# Altium PCB vision-pi-v2-fix.PcbDoc (part 1 of 4)
Units mil, origin at the board's own origin, x right, y up, seen from the top; angles counter-clockwise.
Board outline 944.88 x 1496.06 mil, 6 copper layers (Top Layer, GND(2), Sig(3), Sig(4), PWR, Bottom Layer), stack 32.111 mil thick; 145 components, 190 nets, 978 pads, 464 vias.
Unrouted connection lines stored in the file: 2.
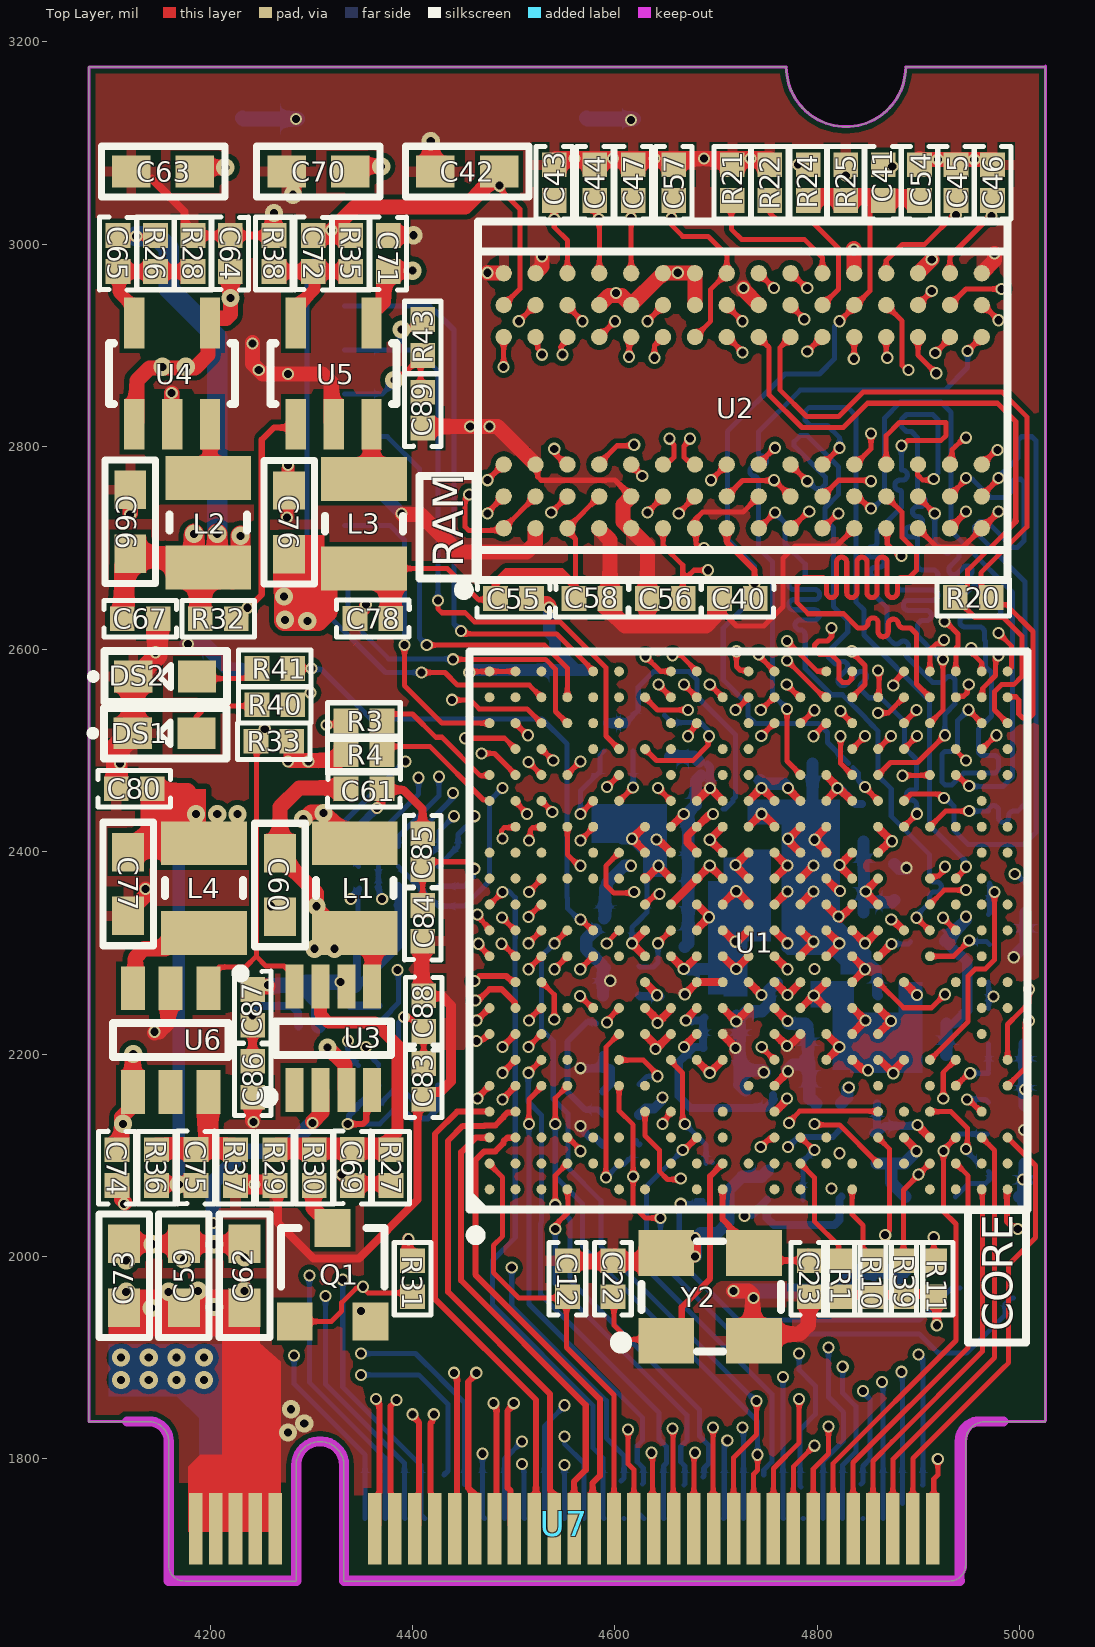
[diagram p0: Top Layer view]
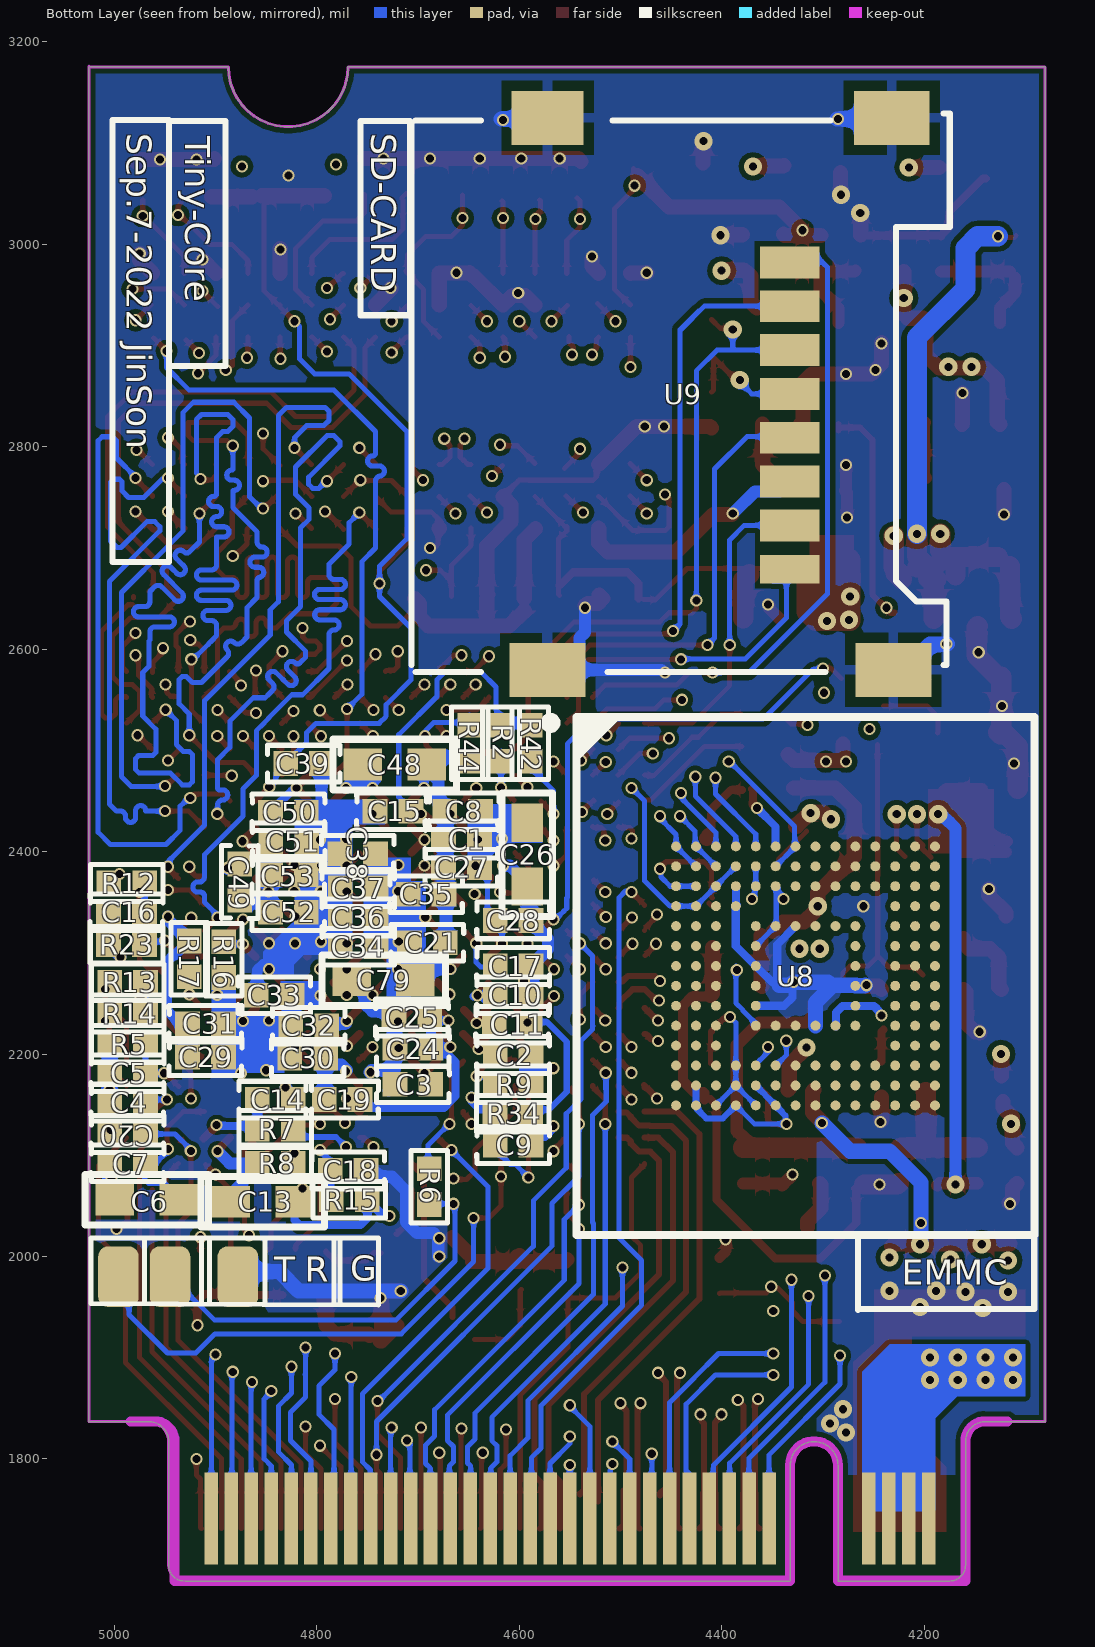
[diagram p1: Bottom Layer view, seen from below]
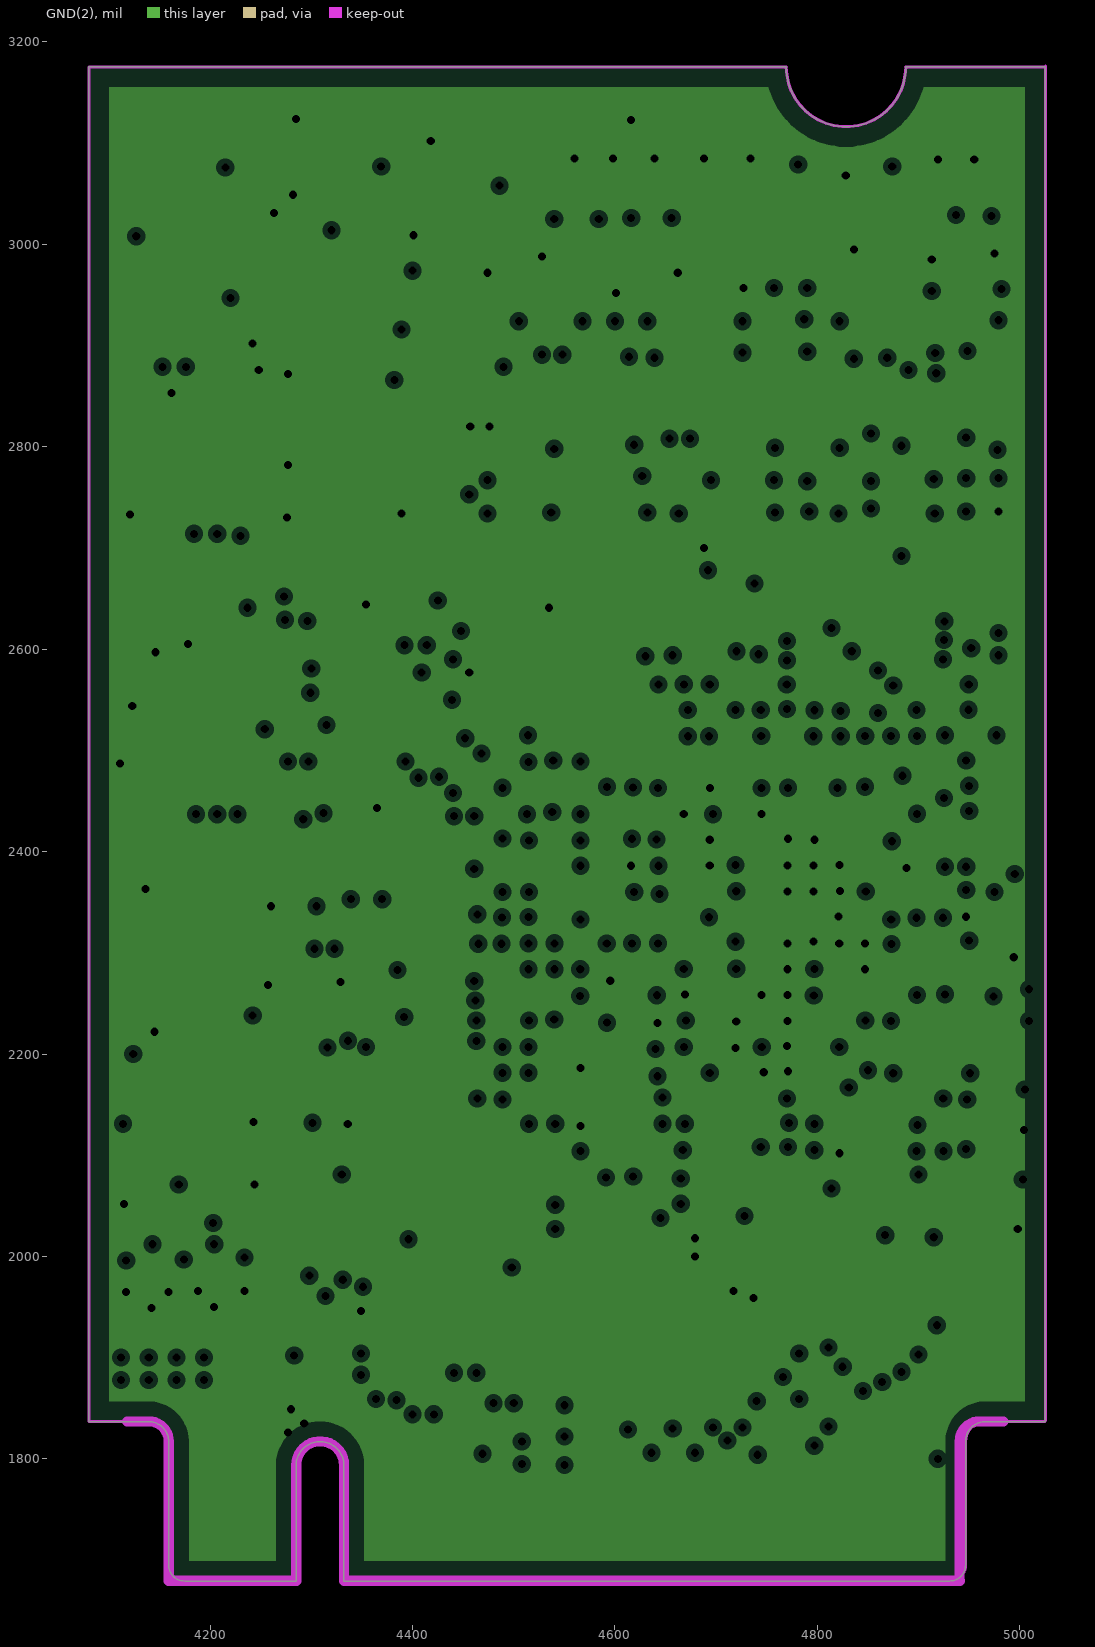
[diagram p2: GND(2), clearances drawn from the general rule]
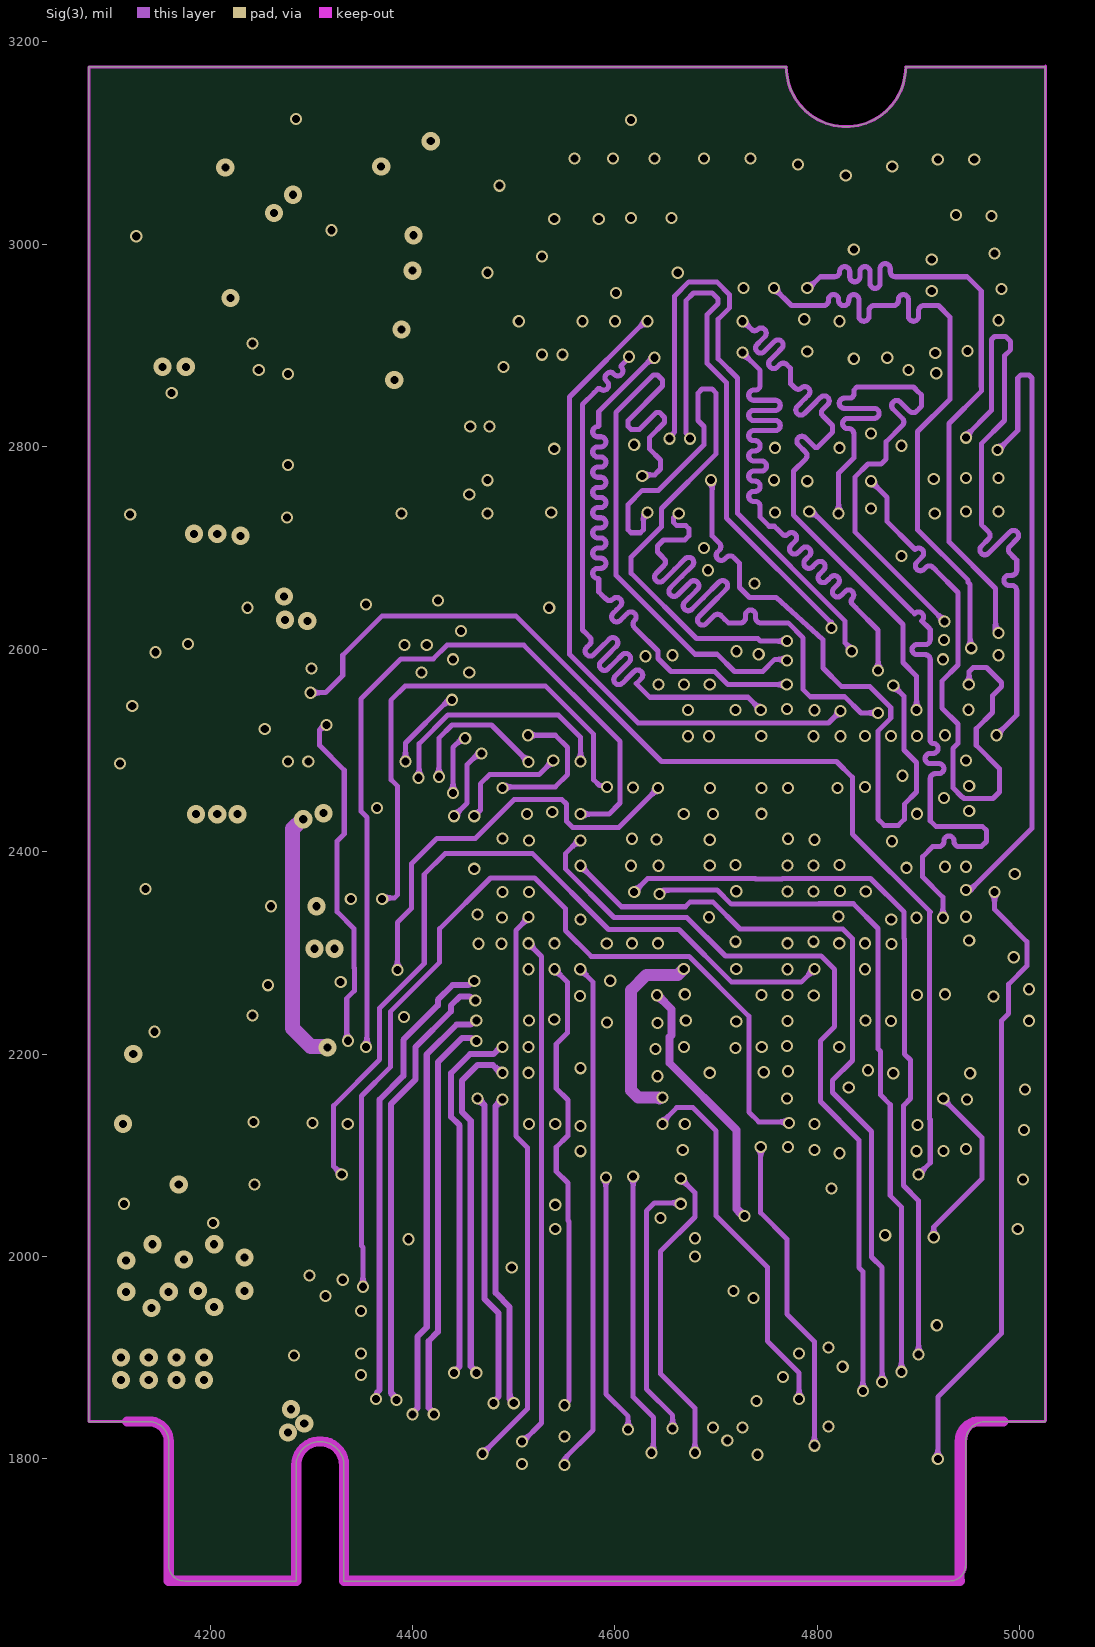
[diagram p3: Sig(3)]
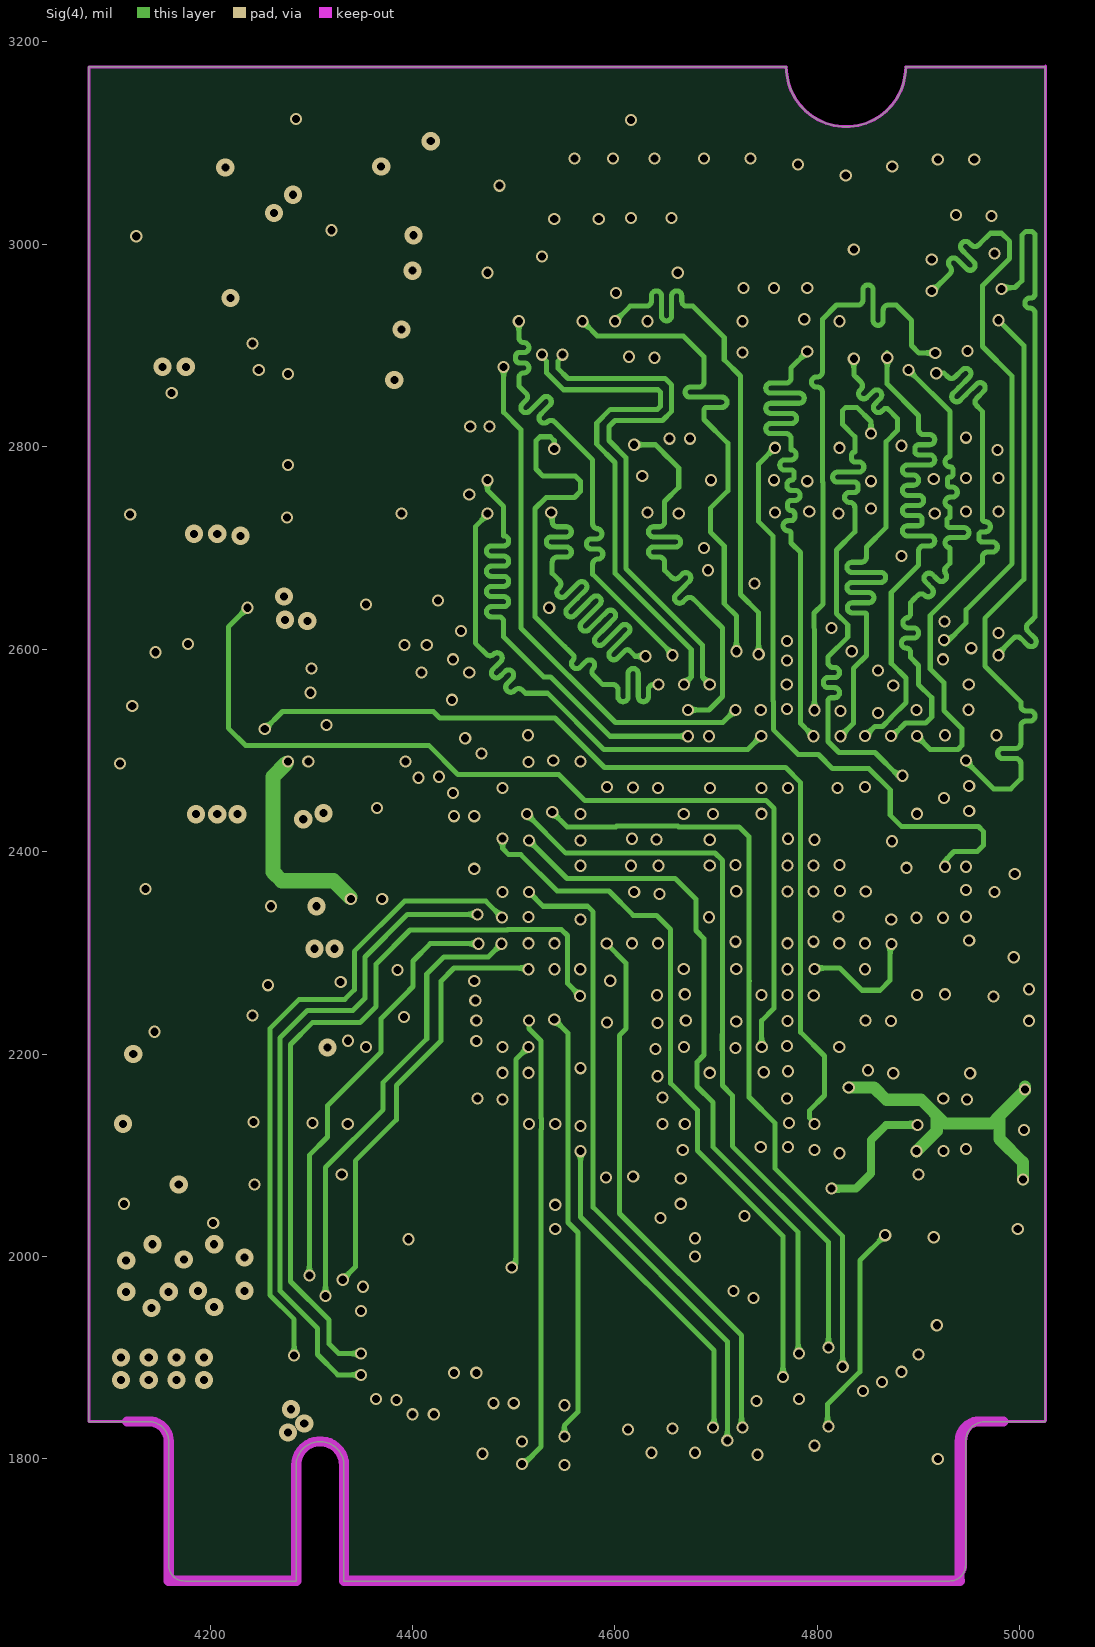
[diagram p4: Sig(4)]
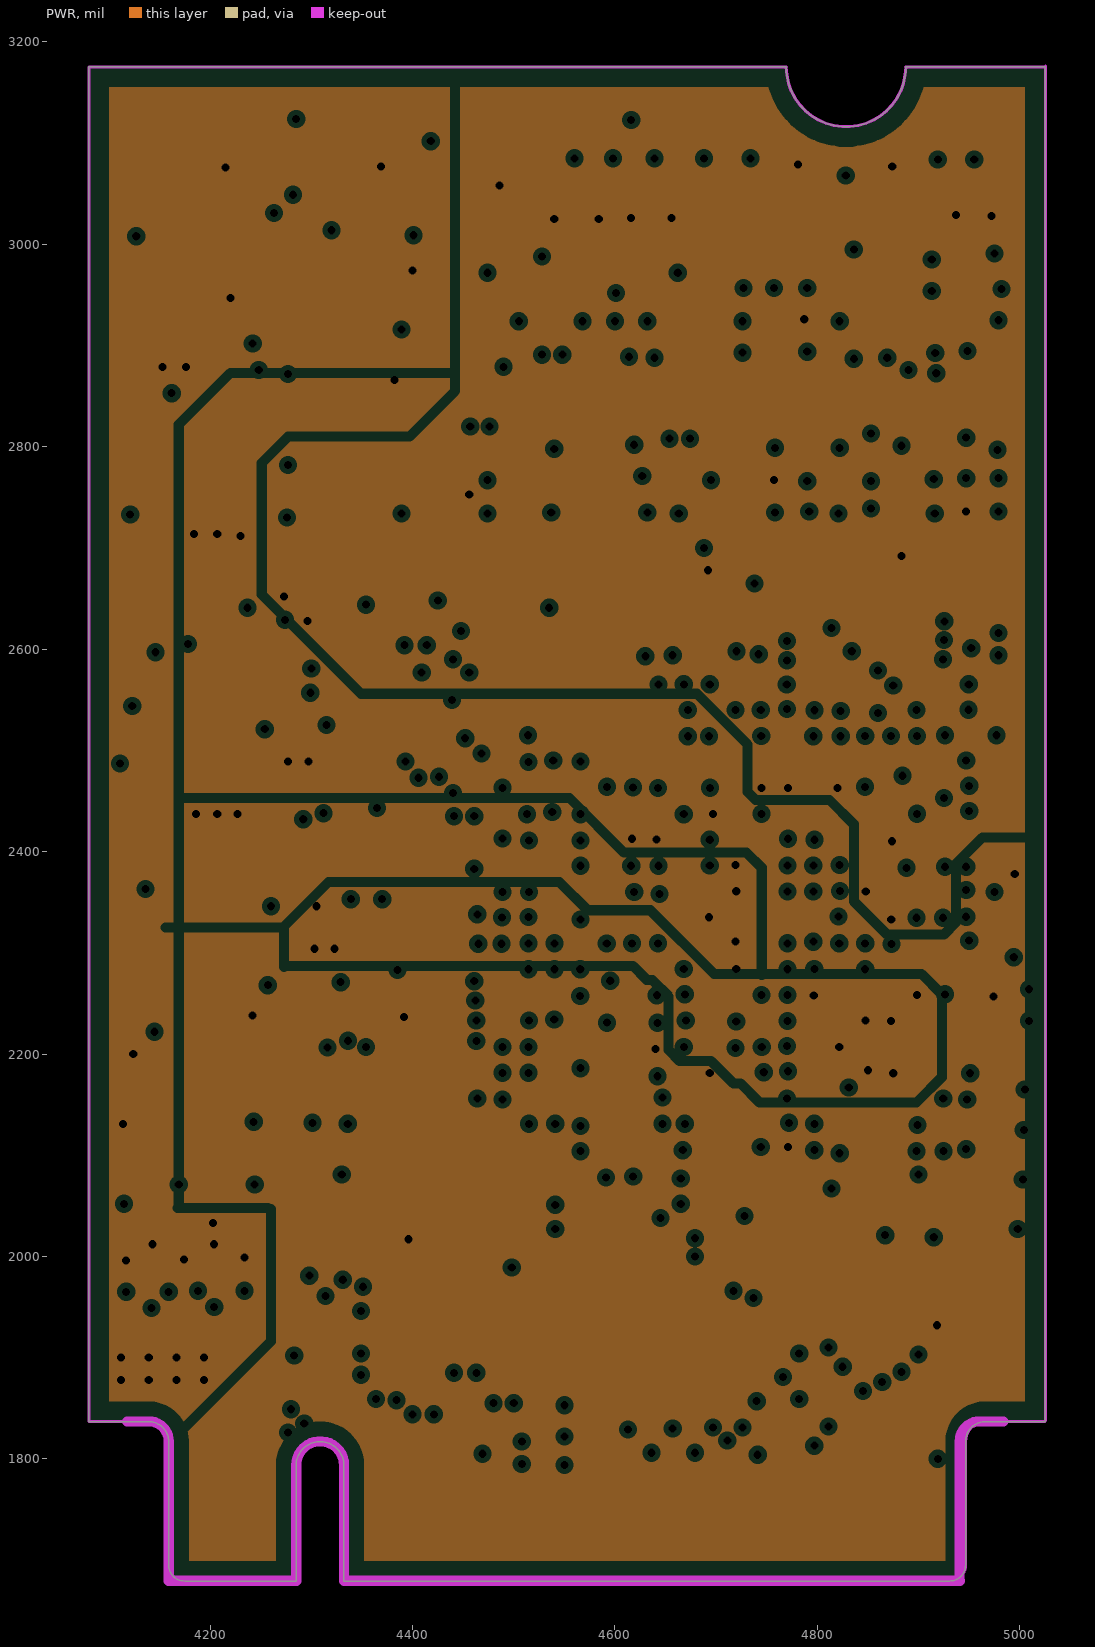
[diagram p5: PWR, clearances drawn from the general rule]
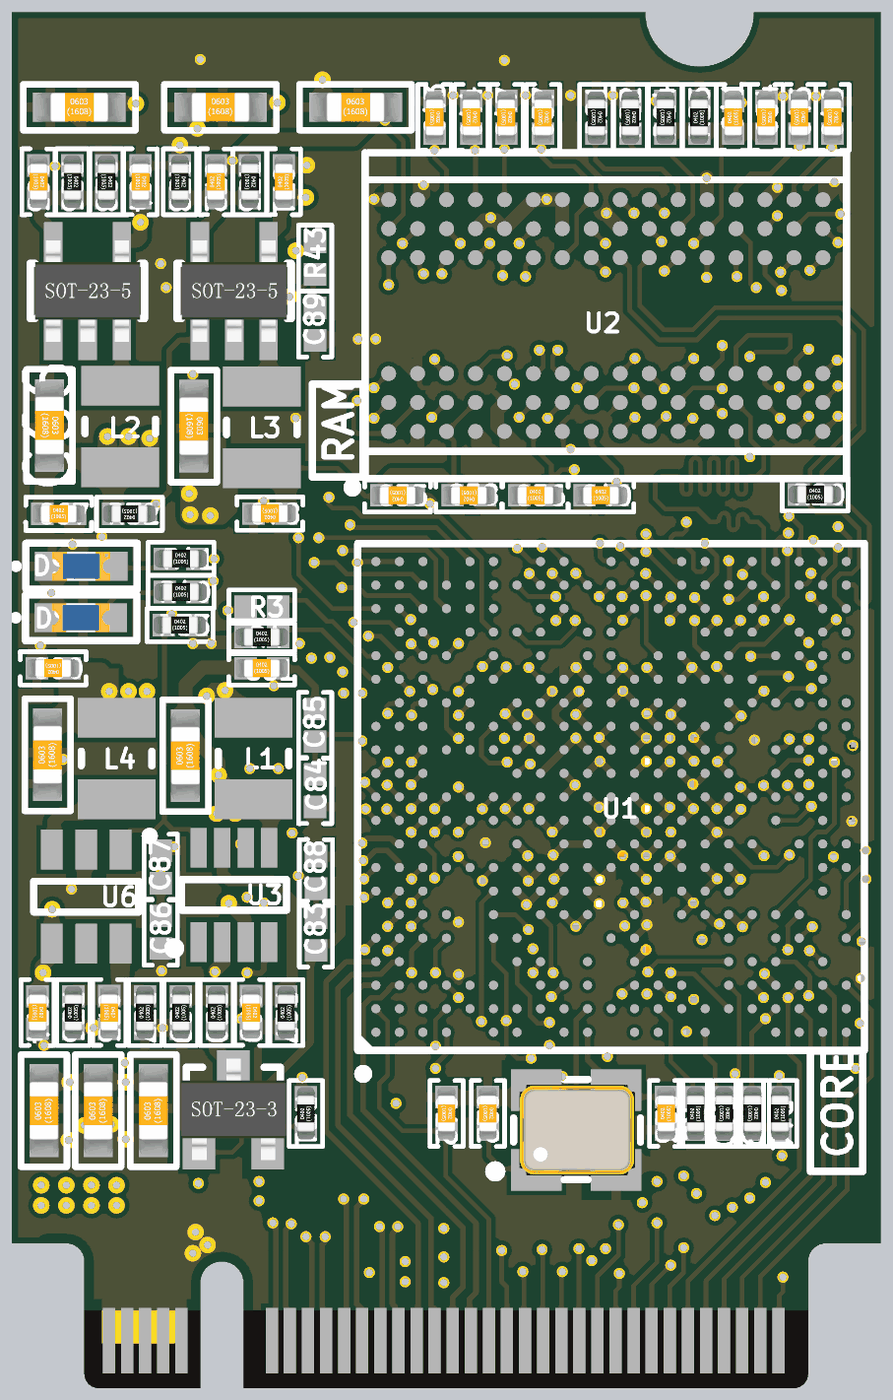
[diagram p9: 3D render of the assembled board from above, using the file's embedded part models]
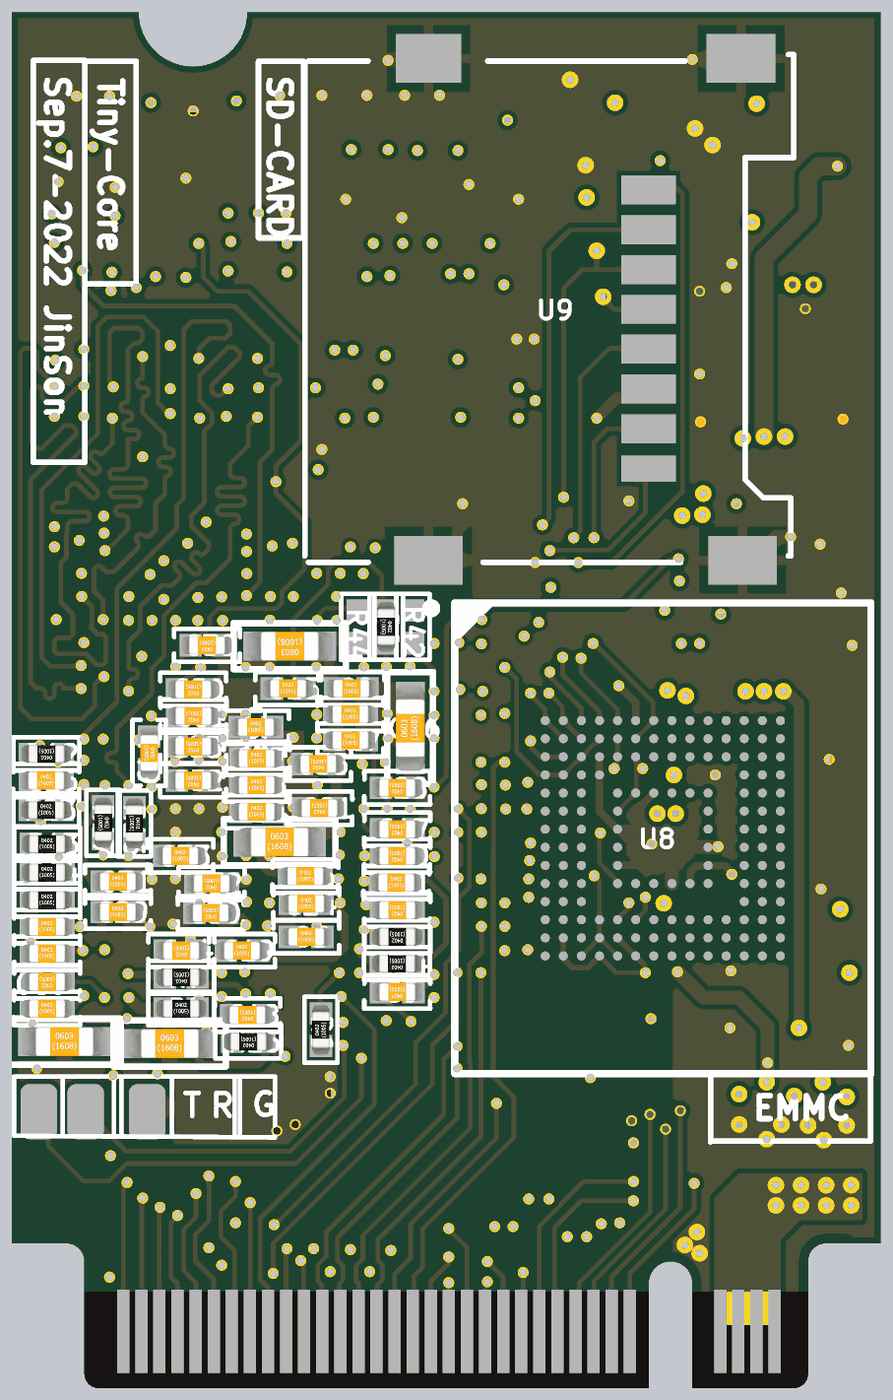
[diagram p10: 3D render of the assembled board from below, using the file's embedded part models]

## Layer stack, top to bottom
Top Solder: solder mask 0.4, Solder Resist, Dk 3.5
Top Layer: signal copper 1.4
Dielectric 2: prepreg 2.8, PP-006, Dk 4.1
GND(2): plane copper 1.3778, net GND
Dielectric 4: prepreg 2.8, PP-006, Dk 4.1
Sig(3): signal copper 1.3778
Dielectric 1: dielectric 12.6, FR-4, Dk 4.8
Sig(4): signal copper 1.3778
Dielectric 5: prepreg 2.8, PP-006, Dk 4.1
PWR: plane copper 1.3778, net (Multiple Nets)
Dielectric 3: prepreg 2.8, PP-006, Dk 4.1
Bottom Layer: signal copper 1.4
Bottom Solder: solder mask 0.4, Solder Resist, Dk 3.5

## Board outline
4158.99,1695 ccw(c4174.74,1695) 4174.74,1679.25 4284.97,1679.25 4284.97,1793.42 cw(c4308.6,1793.42) 4332.22,1793.42 4332.22,1679.25 4930.64,1679.25 ccw(c4930.64,1695) 4946.39,1695 4946.39,1817.05 cw(c4966.08,1817.05) 4966.08,1836.73 5025.13,1836.73 5025.13,3175.31 4887.34,3175.31 cw(c4828.28,3175.31) 4769.23,3175.31 4080.25,3175.31 4080.25,1836.73 4139.31,1836.73 cw(c4139.31,1817.05) 4158.99,1817.05

## Design rules (kind name [scope] priority, off if disabled: settings)
Clearance Clearance_CPU [WithinRoom('ROOM_CPU')] p1: gap=4 ignorepadtopadclearanceinfootprint=FALSE
Clearance [All] p2: gap=5 ignorepadtopadclearanceinfootprint=FALSE
ComponentClearance [All] p1: gap=0 collisioncheckmode=3 verticalgap=0 showdistances=FALSE
DiffPairsRouting DiffPairsRouting_SDQ1 [InDifferentialPairClass('SDQ1')] p1: maxlimit=10 minlimit=5 mostfreqgap=6 toplayer_minwidth=5 toplayer_maxwidth=15 toplayer_prefwidth=5 midlayer1_minwidth=5 midlayer1_maxwidth=15 midlayer1_prefwidth=5 midlayer2_minwidth=5 midlayer2_maxwidth=15 midlayer2_prefwidth=5 bottomlayer_minwidth=5 bottomlayer_maxwidth=15 bottomlayer_prefwidth=5 maxuncoupledlength=500
DiffPairsRouting DiffPairsRouting_SDQ0 [InDifferentialPairClass('SDQ0')] p2: maxlimit=10 minlimit=5 mostfreqgap=6 toplayer_minwidth=5 toplayer_maxwidth=15 toplayer_prefwidth=5 midlayer1_minwidth=5 midlayer1_maxwidth=15 midlayer1_prefwidth=5 midlayer2_minwidth=5 midlayer2_maxwidth=15 midlayer2_prefwidth=5 bottomlayer_minwidth=5 bottomlayer_maxwidth=15 bottomlayer_prefwidth=5 maxuncoupledlength=500
DiffPairsRouting DiffPairsRouting_DDR_SCK [InDifferentialPair('SCK')] p3: maxlimit=10 minlimit=5 mostfreqgap=6 toplayer_minwidth=5 toplayer_maxwidth=15 toplayer_prefwidth=5 midlayer1_minwidth=5 midlayer1_maxwidth=15 midlayer1_prefwidth=5 midlayer2_minwidth=5 midlayer2_maxwidth=15 midlayer2_prefwidth=5 bottomlayer_minwidth=5 bottomlayer_maxwidth=15 bottomlayer_prefwidth=5 maxuncoupledlength=500
DiffPairsRouting DiffPairsRouting_EPHY_TOP [InDifferentialPairClass('EPHY')] p4: maxlimit=10 minlimit=5 mostfreqgap=8 toplayer_minwidth=5 toplayer_maxwidth=15 toplayer_prefwidth=6 midlayer1_minwidth=5 midlayer1_maxwidth=15 midlayer1_prefwidth=6 midlayer2_minwidth=5 midlayer2_maxwidth=15 midlayer2_prefwidth=6 bottomlayer_minwidth=5 bottomlayer_maxwidth=15 bottomlayer_prefwidth=6 maxuncoupledlength=500
DiffPairsRouting DiffPairsRouting_USB_SIG3 [InDifferentialPairClass('USB') and OnSignal] p5: maxlimit=10 minlimit=5 mostfreqgap=5 toplayer_minwidth=5 toplayer_maxwidth=15 toplayer_prefwidth=5 midlayer1_minwidth=5 midlayer1_maxwidth=15 midlayer1_prefwidth=5 midlayer2_minwidth=5 midlayer2_maxwidth=15 midlayer2_prefwidth=5 bottomlayer_minwidth=5 bottomlayer_maxwidth=15 bottomlayer_prefwidth=5 maxuncoupledlength=500
DiffPairsRouting [All] p6: maxlimit=10 minlimit=5 mostfreqgap=5 toplayer_minwidth=5 toplayer_maxwidth=15 toplayer_prefwidth=5 midlayer1_minwidth=5 midlayer1_maxwidth=15 midlayer1_prefwidth=5 midlayer2_minwidth=5 midlayer2_maxwidth=15 midlayer2_prefwidth=5 bottomlayer_minwidth=5 bottomlayer_maxwidth=15 bottomlayer_prefwidth=5 maxuncoupledlength=500
HoleSize [All] p1: absolutevalues=TRUE maxlimit=1000 minlimit=1 maxpercent=80.000 minpercent=20.000
Length Length_DDR_DATA0 [InxSignalClass('DATA_BL0_1')] p1: maxlimit=730 minlimit=690
Length Length_DDR_DATA1 [InxSignalClass('DATA_BL1_1')] p2: maxlimit=630 minlimit=590
Length Length_DDR_ADD/C/C [InxSignalClass('ADDR_PP1_1')] p3: maxlimit=730 minlimit=690
MinimumSolderMaskSliver [All] p1: minsoldermaskwidth=4
PlaneClearance [All] p1: clearance=5
PlaneConnect [All] p1: planeconnectstyle=Direct reliefexpansion=20 reliefentries=4 reliefconductorwidth=10 reliefairgap=10
PolygonConnect [All] p1: thpad.connectstyle=Direct thpad.reliefconductorwidth=10 thpad.reliefentries=4 thpad.polygonreliefangle="90 Angle" thpad.airgapwidth=10 smdpad.connectstyle=Relief smdpad.reliefconductorwidth=10 smdpad.reliefentries=4 smdpad.polygonreliefangle="90 Angle" smdpad.airgapwidth=10 via.connectstyle=Direct via.reliefconductorwidth=10 via.reliefentries=4 via.polygonreliefangle="90 Angle" via.airgapwidth=10
RoomDefinition ROOM_CPU [False] p1: confinementstyle=ConfineIn formatcopy=TRUE lockcomponents=FALSE outline 4444.52,2605.53 5021.52,2605.53 5021.52,2034.53 4444.52,2034.53
RoutingTopology RoutingTopology_DDRAddressAndControls [InNetClass('DDR_AddressAndControls')] p1: topology=Daisy_Simple
RoutingTopology [All] p2: topology=Shortest
RoutingVias [All] p1: holewidth=8 width=12 viastyle="Through Hole" minholewidth=8 minwidth=12 maxholewidth=8 maxwidth=18
SilkToSilkClearance [All] p1: silktosilkclearance=0
SilkToSolderMaskClearance [IsPad] p1: minsilkscreentomaskgap=0 clearancetoexposedcopper=TRUE
SolderMaskExpansion [All] p1: expansion=0
Width Width_CPU_POWER [WithinRoom('ROOM_CPU') and InNetClass('POWER')] p1: maxlimit=12 minlimit=5 preferedwidth=8
Width Width_CPU [WithinRoom('ROOM_CPU')] p2: maxlimit=10 minlimit=4 preferedwidth=5
Width [All] p3: maxlimit=50 minlimit=5 preferedwidth=5
21 further rules are at their usual default settings.
